# Altium PCB Main Board_V15.PcbDoc (part 3 of 5)
Units mm, origin at the board's own origin, x right, y up, seen from the top; angles counter-clockwise.
Board outline 180 x 140 mm, 2 copper layers (Top Layer, Bottom Layer); 280 components, 221 nets, 891 pads, 235 vias.
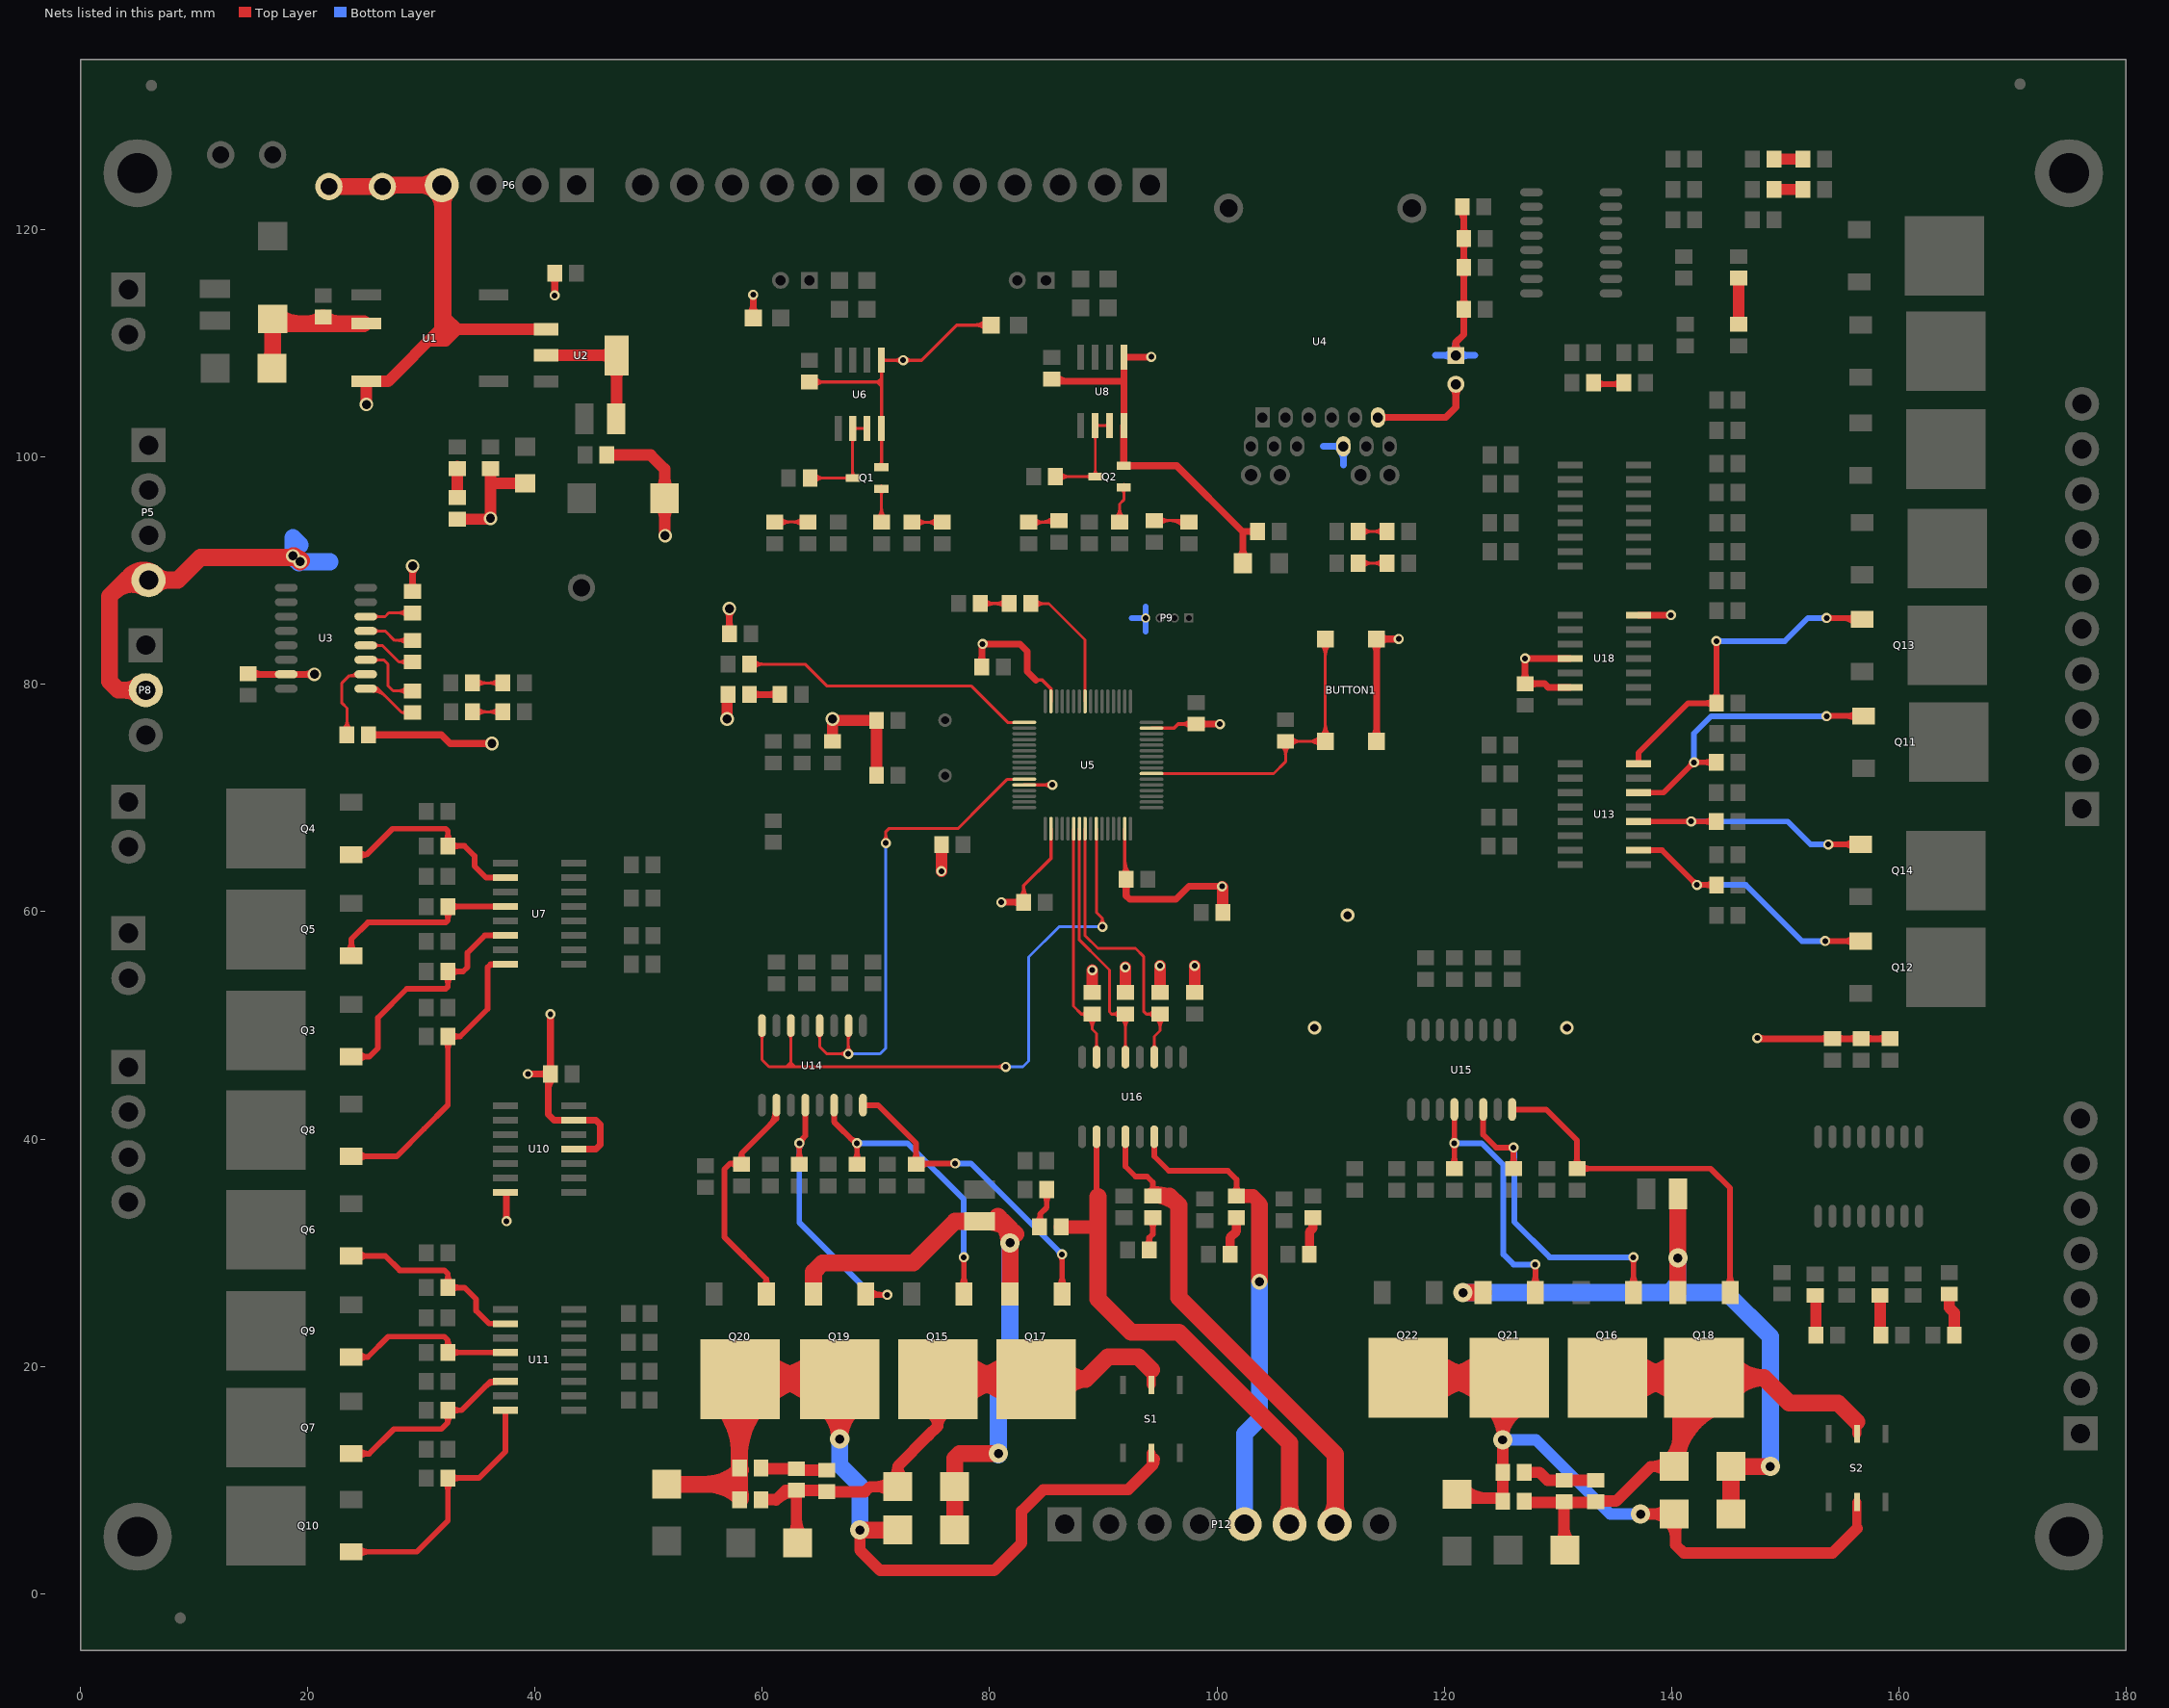
[diagram p3: the nets of this part, all layers, seen from the top]

## Via types
v1: diameter 0.889, hole 0.508, Top Layer to Bottom Layer, 97 vias
v2: diameter 1.7, hole 0.8, Top Layer to Bottom Layer, 84 vias
v3: diameter 1.2, hole 0.7, Top Layer to Bottom Layer, 34 vias
v4: diameter 1.2, hole 0.8, Top Layer to Bottom Layer, 11 vias
v5: diameter 1.4, hole 0.7, Top Layer to Bottom Layer, 5 vias
v6: diameter 1.4, hole 0.8, Top Layer to Bottom Layer, 2 vias
v7: diameter 3.4, hole 3.4, Top Layer to Bottom Layer, 2 vias

## Nets (pads, with @x,y where several pads share a name; then routed paths per layer and width w, separated by ;. In a path a pad name is that pad's centre, name@x,y a point inside that pad or via, vN(x,y) a via of type N, cw(c..) or ccw(c..) an arc to the next point about the centre after c; other vN are vias at no path point) (continued)
GND: BUTTON1.3 BUTTON1.4 C1.1 C4.2 C5.1 C6.2 C7.1 C8.1 C9.1 C10.1 C13.2 C14.1 C15.1 C16.1 C17.1 C18.1 C19.1 C20.1 C21.1 C22.1 C23.2 C28.2 C29.1 C30.1 CB1.1 LED1.2 LED5.2 P5.4 P6.4 P8.2 P9.4 PT3.1 PT4.1 Q1.2 Q2.2 R7.1 R8.1 R48.1 R49.1 R50.1 R51.1 R62.1 R65.1 R68.1 R71.1 R80.1 R131.1 R132.1 R134.1 R136.1 U1.4 U2.1 U3.15 U4.10 U5.12 U5.18 U5.31 U5.47 U5.63 U6.4 U6.5 U8.4 U8.5 U10.7 U10.11 U10.13 U18.7 U18.11 U18.13 | length 455.2
  Top Layer w0.3: C23.2@64.135,106.619 70.104,106.619 ; C23.2@64.589,106.265 cw(c65.442,105.412) 65.442,106.619 cw(c65.442,107.826) C23.2@64.589,106.973 ; Q1.2@70.324,99.262 ccw(c69.934,99.652) 70.485,99.652 ; U6.4@70.379,101.631 cw(c70.123,101.375) 70.485,101.375 cw(c70.847,101.375) U6.4@70.591,101.631 ; U6.4@70.379,103.443 ccw(c70.123,103.699) 70.485,103.699 ccw(c70.847,103.699) U6.4@70.591,103.443 ; U6.5@70.379,107.631 cw(c70.123,107.375) 70.485,107.375 cw(c70.847,107.375) U6.5@70.591,107.631 ; Q1.2@70.465,99.375 Q1.2@70.485,99.395 ; Q1.2@70.485,99.375 U6.4@70.485,102.489 ; 70.485,99.556 ccw(c70.9,99.556) Q1.2@70.606,99.262 ; U6.4@70.485,102.537 U6.5@70.485,108.537 73.993,108.537 77.089,111.633 R136.1@80.137,111.633 ; 70.485,106.172 70.485,106.238 70.104,106.619 ; 70.485,106.426 70.292,106.619 70.104,106.619 ; 70.485,106.934 70.17,106.619 70.104,106.619 ; U6.5@70.591,108.431 cw(c70.847,108.175) 70.847,108.537 cw(c70.847,108.899) U6.5@70.591,108.643 ; v1@72.182,108.329 ccw(c71.679,107.826) 71.679,108.537 ccw(c71.679,109.248) v1@72.182,108.745 ; v1@72.598,108.329 cw(c73.101,107.826) 73.101,108.537 cw(c73.101,109.248) v1@72.598,108.745 ; R136.1@79.701,111.209 ccw(c78.676,110.184) 78.676,111.633 ccw(c78.676,113.082) R136.1@79.701,112.057 ; C15.1@82.643,61.287 ccw(c81.79,62.14) 82.997,62.14 ccw(c84.204,62.14) C15.1@83.351,61.287 ; C15.1@82.997,60.833 82.997,62.296 85.396,64.695 U5.18@85.396,67.312 ; U5.12@83.046,71.162 v1(85.513,71.162) ; 84.074,80.391 84.624,80.391 85.396,79.619 U5.63@85.396,78.512 ; v1@85.305,70.954 ccw(c84.802,70.451) 84.802,71.162 ccw(c84.802,71.873) v1@85.305,71.37 ; 91.628,106.873 91.821,106.68 ; C17.1@91.66,63.319 ccw(c91.092,63.887) 91.896,63.887 ; U8.4@91.801,102.771 U8.4@91.821,102.791 ; C17.1@91.896,62.865 U5.31@91.896,67.312 ; 91.896,63.733 ccw(c92.782,63.733) C17.1@92.155,63.106 ; 91.896,64.457 ccw(c93.506,64.457) C17.1@92.368,63.319 ; U5.47@94.246,76.162 96.228,76.162 96.586,76.52 C19.1@98.171,76.52 ; C19.1@97.717,76.166 ccw(c96.864,75.313) 96.864,76.52 ccw(c96.864,77.727) C19.1@97.717,76.874 ; v1(100.264,76.52) v1@100.33,76.454
  Top Layer w0.6: C9.1@14.732,80.96 14.793,80.899 U3.15@18.09,80.899 v4@20.32,80.899 ; C9.1@15.079,80.713 cw(c15.53,80.262) 15.53,80.899 ; C9.1@15.079,81.207 ccw(c15.824,81.952) 15.824,80.899 ; v4@20.362,80.687 ccw(c19.85,80.175) 19.85,80.899 ccw(c19.85,81.623) v4@20.362,81.111 ; C8.1@25.334,75.565 31.75,75.565 32.512,74.803 v4(36.195,74.803) ; C8.1@25.581,75.318 cw(c26.179,74.72) 26.179,75.565 cw(c26.179,76.41) C8.1@25.581,75.812 ; C10.1@28.963,88.446 ccw(c28.365,89.044) 29.21,89.044 ccw(c30.055,89.044) C10.1@29.457,88.446 ; v4@28.998,90.212 cw(c28.486,89.7) 29.21,89.7 cw(c29.934,89.7) v4@29.422,90.212 ; C10.1@29.21,88.199 v4(29.21,90.424) ; v4@35.983,74.591 ccw(c35.471,74.079) 35.471,74.803 ccw(c35.471,75.527) v4@35.983,75.015 ; U10.7@37.386,35.306 37.465,35.227 v1(37.465,32.766) ; v1(39.37,45.72) C29.1@41.341,45.72 v1(41.341,50.993) ; C29.1@41.094,45.473 ccw(c40.496,44.875) 40.496,45.72 ccw(c40.496,46.565) C29.1@41.094,45.967 ; C29.1@41.094,46.067 ccw(c40.496,46.665) 41.341,46.665 ccw(c42.186,46.665) C29.1@41.588,46.067 ; 41.148,44.309 cw(c42.652,44.309) C29.1@41.588,45.373 ; C29.1@41.468,45.72 41.148,45.4 41.148,42.164 41.656,41.656 U10.13@43.386,41.656 45.339,41.656 45.72,41.275 45.72,39.497 45.339,39.116 U10.11@43.386,39.116 ; C1.1@41.475,115.858 cw(c40.877,115.26) 41.722,115.26 cw(c42.567,115.26) C1.1@41.969,115.858 ; v1(41.722,114.234) C1.1@41.722,116.205 ; R7.1@56.842,84.802 ccw(c56.244,85.4) 57.089,85.4 ccw(c57.934,85.4) R7.1@57.336,84.802 ; v4@56.877,86.468 cw(c56.365,85.956) 57.089,85.956 cw(c57.813,85.956) v4@57.301,86.468 ; R7.1@57.089,84.455 v4(57.089,86.68) ; R134.1@58.864,112.586 ccw(c58.096,113.354) 59.182,113.354 ccw(c60.268,113.354) R134.1@59.5,112.586 ; R134.1@59.182,112.268 v1(59.182,114.3) ; C20.1@79.067,81.881 ccw(c78.469,82.479) 79.314,82.479 ccw(c80.159,82.479) C20.1@79.561,81.881 ; C20.1@79.314,81.534 79.314,83.251 79.629,83.566 82.677,83.566 83.312,82.931 83.312,81.153 84.074,80.391 ; 79.314,83.07 cw(c79.871,83.07) v1@79.477,83.464 ; v1(81.026,60.833) C15.1@82.997,60.833 ; C15.1@82.75,60.586 ccw(c82.152,59.988) 82.152,60.833 ccw(c82.152,61.678) C15.1@82.75,61.08 ; C28.2@85.664,106.68 91.821,106.68 ; C28.2@85.818,107.12 ccw(c86.882,108.184) 86.882,106.68 ; C17.1@91.767,62.518 cw(c91.169,61.92) 92.014,61.92 cw(c92.859,61.92) C17.1@92.261,62.518 ; U8.4@91.801,102.771 Q2.2@91.801,99.248 96.459,99.248 102.286,93.421 C13.2@102.286,90.678 ; U8.4@91.821,102.791 U8.5@91.821,108.791 v1@94.282,108.791 ; C17.1@92.014,62.865 92.014,61.402 92.329,61.087 96.393,61.087 97.536,62.23 v1(100.457,62.23) ; 93.769,108.791 ccw(c93.769,109.304) v1@94.132,108.941 ; C19.1@98.171,76.52 v1(100.264,76.52) ; C19.1@98.518,76.273 cw(c99.116,75.675) 99.116,76.52 cw(c99.116,77.365) C19.1@98.518,76.767 ; C13.2@101.932,91.132 ccw(c101.079,91.985) 102.286,91.985 ccw(c103.493,91.985) C13.2@102.64,91.132 ; 102.286,93.472 C14.1@103.571,93.472 ; C14.1@103.324,93.225 ccw(c102.726,92.627) 102.726,93.472 ccw(c102.726,94.317) C14.1@103.324,93.719 ; BUTTON1.3@113.731,75.32 ccw(c112.963,76.088) 114.049,76.088 ccw(c115.135,76.088) BUTTON1.3@114.367,75.32 ; BUTTON1.4@113.731,83.684 cw(c112.963,82.916) 114.049,82.916 cw(c115.135,82.916) 114.367,83.684 cw(c115.135,82.916) 115.135,84.002 cw(c115.135,85.088) BUTTON1.4@114.367,84.32 ; BUTTON1.3@114.049,75.002 BUTTON1.4@114.049,84.002 v1(116.006,84.002) ; CB1.1@120.713,109.284 ccw(c119.945,110.052) 121.031,110.052 ccw(c122.117,110.052) CB1.1@121.349,109.284 ; CB1.1@121.031,108.966 121.031,110.109 121.732,110.81 R48.1@121.732,113.03 R49.1@121.732,116.713 R50.1@121.732,119.253 121.732,121.92 R51.1@121.605,122.047 ; R51.1@121.358,121.7 cw(c120.453,120.795) 121.732,120.795 ; R48.1@121.485,112.683 cw(c120.887,112.085) 121.732,112.085 cw(c122.577,112.085) R48.1@121.979,112.683 ; R48.1@121.485,113.377 ccw(c120.887,113.975) 121.732,113.975 ccw(c122.577,113.975) R48.1@121.979,113.377 ; R49.1@121.485,116.366 cw(c120.887,115.768) 121.732,115.768 cw(c122.577,115.768) R49.1@121.979,116.366 ; R49.1@121.485,117.06 ccw(c120.887,117.658) 121.732,117.658 ccw(c122.577,117.658) R49.1@121.979,117.06 ; R50.1@121.485,118.906 cw(c120.887,118.308) 121.732,118.308 cw(c122.577,118.308) R50.1@121.979,118.906 ; R50.1@121.485,119.6 ccw(c120.887,120.198) 121.732,120.198 ccw(c122.577,120.198) R50.1@121.979,119.6 ; C30.1@126.88,80.318 ccw(c126.282,80.916) 127.127,80.916 ccw(c127.972,80.916) C30.1@127.374,80.318 ; C30.1@127.474,79.824 cw(c128.072,79.226) 128.072,80.071 cw(c128.072,80.916) C30.1@127.474,80.318 ; U18.13@131.112,79.756 129.159,79.756 128.844,80.071 C30.1@127.127,80.071 v1(127.127,82.296) U18.11@131.112,82.296 ; U18.7@137.112,86.106 v1(139.954,86.106) ; v1(147.574,48.895) 147.64,48.829 R62.1@154.178,48.829 R132.1@159.258,48.829 ; v1@147.676,48.997 ccw(c148.082,49.403) 148.082,48.829 ; R62.1@153.831,48.582 ccw(c153.233,47.984) 153.233,48.829 ccw(c153.233,49.674) R62.1@153.831,49.076 ; R62.1@154.525,48.582 cw(c155.123,47.984) 155.123,48.829 cw(c155.123,49.674) R62.1@154.525,49.076 ; R131.1@156.371,48.582 ccw(c155.773,47.984) 155.773,48.829 ccw(c155.773,49.674) R131.1@156.371,49.076 ; R131.1@157.065,48.582 cw(c157.663,47.984) 157.663,48.829 cw(c157.663,49.674) R131.1@157.065,49.076 ; R132.1@158.911,48.582 ccw(c158.313,47.984) 158.313,48.829 ccw(c158.313,49.674) R132.1@158.911,49.076
  Top Layer w1: v4(25.146,104.648) 25.146,106.668 U1.4@25.134,106.68 27.051,106.68 31.637,111.266 32.117,111.266 33.147,111.266 ; 30.739,110.236 32.117,110.236 33.147,111.266 ; P6.4@31.779,123.952 P6.4@32.117,123.614 ; 32.117,112.522 32.117,112.296 33.147,111.266 ; LED1.2@33.147,94.554 36.007,94.554 v4(36.068,94.615) C5.1@36.068,98.999 ; 36.068,97.663 36.119,97.714 C4.2@39.116,97.714 ; U2.1@40.969,111.266 33.147,111.266 ; C7.1@46.289,100.203 50.165,100.203 51.402,98.966 C6.2@51.402,96.393 51.402,93.124 v4(51.435,93.091) ; C6.2@50.872,95.813 cw(c49.591,94.532) 51.402,94.532 cw(c53.213,94.532) C6.2@51.932,95.813 ; C6.2@50.872,96.973 ccw(c49.591,98.254) 51.402,98.254 ccw(c53.213,98.254) C6.2@51.932,96.973 ; v4(56.896,76.962) 56.896,79.055 LED5.2@56.962,79.121 ; C22.1@66.167,74.991 v4(66.167,76.962) 66.294,76.835 C18.1@70.043,76.835 C16.1@70.043,72.009 ; v1(75.758,63.566) C21.1@75.758,65.913 ; R68.1@89.027,52.893 v1(89.027,54.864) ; R71.1@91.948,52.893 v1(91.948,55.118) ; R80.1@94.996,52.893 v1(94.996,55.245) ; R65.1@98.044,52.893 v1(98.044,55.245) ; v1(100.457,62.23) 100.518,62.169 R8.1@100.518,59.944
  Top Layer w1.5: 2.965,88.182 cw(c4.51,86.637) P5.4@5.596,88.532 ; 3.913,89.13 cw(c5.859,87.184) P5.4@6.01,89.932 ; 4.351,89.568 cw(c5.52,88.4) P5.4@6.342,89.834 ; P8.2@5.185,78.972 ccw(c3.904,77.691) 3.904,79.502 ccw(c3.904,81.313) P8.2@5.185,80.032 ; P5.4@5.439,88.653 ccw(c4.158,87.372) 4.158,89.183 ccw(c4.158,90.994) P5.4@5.439,89.713 ; P8.2@5.715,79.502 3.302,79.502 2.54,80.264 2.54,87.757 3.966,89.183 P5.4@5.969,89.183 8.538,89.183 10.541,91.186 v4@18.669,91.186 ; P5.4@6.499,88.653 cw(c7.78,87.372) 7.78,89.183 cw(c7.78,90.994) P5.4@6.499,89.713 ; v4(18.669,91.313) 18.796,91.313 v4(19.304,90.805) ; v4@18.746,91.186 cw(c18.746,90.247) v4@19.41,90.911 ; PT3.1@21.844,123.825 PT4.1@26.543,123.825 ; PT4.1@26.543,123.952 P6.4@31.779,123.952 ; PT4.1@26.861,123.507 cw(c27.936,122.432) 27.936,123.952 ; P6.4@31.249,124.482 cw(c29.968,125.763) 29.968,123.952 cw(c29.968,122.141) 31.249,123.422 cw(c29.732,121.905) 31.877,121.905 ; 31.877,111.252 P6.4@31.877,123.6 ; 31.877,122.378 cw(c33.353,122.378) P6.4@32.309,123.422
  Bottom Layer w0.5: 92.507,85.852 P9.4@93.726,85.852 ; 93.726,84.671 P9.4@93.726,85.852 ; 93.726,86.85 P9.4@93.726,85.852
  Bottom Layer w0.6: 109.377,100.965 U4.10@111.125,100.965 111.125,99.32 ; U4.10@110.888,100.474 cw(c110.316,99.902) 111.125,99.902 cw(c111.934,99.902) U4.10@111.362,100.474 ; U4.10@110.888,100.728 ccw(c110.316,100.156) 110.316,100.965 ccw(c110.316,101.774) U4.10@110.888,101.202 ; 119.254,108.966 CB1.1@121.031,108.966 ; CB1.1@120.713,108.648 ccw(c119.945,107.88) 119.945,108.966 ccw(c119.945,110.052) CB1.1@120.713,109.284 ; CB1.1@120.727,109.297 ccw(c120.09,109.991) 121.031,109.991 ; CB1.1@121.335,109.297 cw(c121.972,109.991) 121.031,109.991 ; CB1.1@121.349,108.648 cw(c122.117,107.88) 122.117,108.966 cw(c122.117,110.052) CB1.1@121.349,109.284 ; 122.696,108.966 CB1.1@121.031,108.966 ; CB1.1@121.031,108.966 121.031,109.991
  Bottom Layer w1.5: v4@18.563,91.207 ccw(c19.533,92.177) v4@19.533,90.805 ; v4(18.669,91.313) 18.669,92.914 19.304,92.279 ; 18.669,91.976 ccw(c20.475,91.976) v4@19.198,90.699 ; v4(19.304,90.805) 21.945,90.805
  other v1: 79.375,83.566 72.39,108.537 94.234,108.839
  other v3: 108.585,49.784 130.81,49.784 111.506,59.69
  other v4: 20.574,80.899
LEFT-OPPOSITE: R80.2 U5.24 U16.11 | length 30.1
  Top Layer w0.254: U5.24@88.396,67.312 88.373,67.289 88.373,57.931 89.535,56.769 92.837,56.769 93.538,56.068 93.538,51.247 93.792,50.993 ; U16.11@94.33,48.01 ccw(c93.95,48.39) 94.488,48.39 ccw(c95.026,48.39) U16.11@94.646,48.01 ; U16.11@94.488,47.202 94.488,49.022 94.996,49.53 R80.2@94.996,50.993 93.792,50.993 ; R80.2@94.491,50.662 ccw(c93.792,50.089) 93.792,50.993 ; R80.2@94.491,51.324 cw(c93.792,51.897) 93.792,50.993 ; R80.2@94.626,50.623 cw(c93.733,49.73) 94.996,49.73 cw(c96.259,49.73) R80.2@95.366,50.623
LEFT-OPPOSITESENSOR: LED22.2 P12.5 U16.6 | length 43.7
  Top Layer w0.5: U16.6@94.488,40.202 94.488,38.481 95.758,37.211 100.965,37.211 101.727,36.449 LED22.2@101.727,34.986 ; LED22.2@101.444,35.269 ccw(c100.761,35.952) 101.727,35.952 ccw(c102.693,35.952) LED22.2@102.01,35.269
  Top Layer w1.2: LED22.2@101.727,34.986 103.19,34.986 103.759,34.417
  Top Layer w1.5: v6@103.759,27.559 103.759,34.163
  Bottom Layer w1.5: P12.5@102.437,5.969 102.437,14.045 103.759,15.367 v6(103.759,27.432)
LEFTGATE-A: U5.11 U14.2 U14.4 | length 49.1
  Top Layer w0.254: U14.4@64.88,49.174 cw(c64.5,48.794) 65.038,48.794 cw(c65.576,48.794) U14.4@65.196,49.174 ; U14.4@65.038,49.982 65.038,48.119 65.659,47.498 v1(67.564,47.498) 67.564,49.968 U14.2@67.578,49.982 ; v1@67.339,47.273 ccw(c66.797,46.731) 66.797,47.498 ccw(c66.797,48.265) 67.339,47.723 ccw(c66.797,48.265) 67.564,48.265 ccw(c68.331,48.265) v1@67.789,47.723 ; U14.2@67.42,49.174 cw(c67.073,48.827) 67.564,48.827 ; 67.564,48.76 cw(c68.15,48.76) U14.2@67.736,49.174 ; v1@70.641,66.265 ccw(c70.099,66.807) 70.866,66.807 ccw(c71.633,66.807) v1@71.091,66.265 ; v1(70.866,66.04) 70.866,67.056 71.12,67.31 77.209,67.31 79.61,69.711 79.61,69.718 81.554,71.662 U5.11@83.046,71.662
  Bottom Layer w0.254: v1(67.564,47.498) 70.358,47.498 70.866,48.006 v1(70.866,66.04)
LEFTGATE-B: U5.26 U14.6 U14.8 | length 61.6
  Top Layer w0.254: U14.8@59.8,49.174 cw(c59.42,48.794) 59.958,48.794 cw(c60.496,48.794) U14.8@60.116,49.174 ; U14.8@59.958,49.982 59.958,46.976 60.579,46.355 61.849,46.355 69.088,46.355 v1(81.407,46.355) ; 62.103,46.355 62.498,46.75 62.498,46.863 ; U14.6@62.34,49.174 cw(c61.96,48.794) 62.498,48.794 cw(c63.036,48.794) U14.6@62.656,49.174 ; 62.498,46.355 62.498,46.609 62.498,46.863 ; U14.6@62.498,49.982 62.498,46.863 ; 62.865,46.355 62.498,46.722 62.498,46.863 ; v1@81.182,46.13 ccw(c80.64,45.588) 80.64,46.355 ccw(c80.64,47.122) v1@81.182,46.58 ; U5.26@89.396,67.312 89.396,59.956 89.916,59.436 ; v1@89.692,58.899 ccw(c89.16,59.436) 89.916,59.436 ; v1(89.916,58.674) 89.916,59.436 ; v1@90.14,58.899 cw(c90.672,59.436) 89.916,59.436
  Bottom Layer w0.254: v1(81.407,46.355) 82.931,46.355 83.439,46.863 83.439,56.007 86.106,58.674 v1(89.916,58.674)
LEFTS-CLOSE: R71.2 U5.23 U16.13 | length 26.9
  Top Layer w0.254: U5.23@87.896,67.312 87.896,57.519 89.916,55.499 90.551,54.864 90.551,51.181 90.739,50.993 ; R71.2@91.444,50.66 ccw(c90.739,50.079) 90.739,50.993 ; R71.2@91.444,51.326 cw(c90.739,51.907) 90.739,50.993 ; R71.2@91.578,50.623 cw(c90.685,49.73) 91.948,49.73 cw(c93.211,49.73) R71.2@92.318,50.623 ; U16.13@91.79,48.01 ccw(c91.41,48.39) 91.948,48.39 ccw(c92.486,48.39) U16.13@92.106,48.01 ; U16.13@91.948,47.202 R71.2@91.948,50.993 90.739,50.993
LEFTS-OPEN: R68.2 U5.22 U16.15 | length 25.3
  Top Layer w0.254: U5.22@87.396,67.312 87.376,67.292 87.376,51.689 88.072,50.993 ; R68.2@88.461,50.755 ccw(c88.072,50.556) 88.072,50.993 ; R68.2@88.461,51.231 cw(c88.072,51.43) 88.072,50.993 ; R68.2@88.657,50.623 cw(c87.764,49.73) 89.027,49.73 cw(c90.29,49.73) R68.2@89.397,50.623 ; U16.15@89.25,48.01 ccw(c88.87,48.39) 89.408,48.39 ccw(c89.946,48.39) U16.15@89.566,48.01 ; U16.15@89.408,47.202 89.408,49.276 89.027,49.657 R68.2@89.027,50.993 88.072,50.993
LEFTSENSOR-CLOSE: LED9.2 P12.7 U16.4 | length 52.3
  Top Layer w0.5: U16.4@91.948,40.202 91.948,38.227 91.948,37.592 92.837,36.703 93.853,36.703 94.361,36.195 LED9.2@94.361,34.986 ; LED9.2@94.078,35.269 ccw(c93.395,35.952) 94.361,35.952 ccw(c95.327,35.952) LED9.2@94.644,35.269
  Top Layer w1.2: LED9.2@94.361,34.986 95.824,34.986 ; P12.7@110.357,6.096 P12.7@110.426,6.165
  Top Layer w1.5: LED9.2@94.455,35.086 cw(c94.609,32.408) 96.505,34.305 ; LED9.2@94.461,35.086 cw(c94.461,32.037) 96.617,34.193 ; 95.824,34.986 96.647,34.163 96.647,26.035 98.171,24.511 110.426,12.255 P12.7@110.426,6.165 ; P12.7@109.827,6.626 ccw(c108.379,8.074) 110.426,8.074 ; 110.426,7.739 ccw(c112,7.739) P12.7@110.887,6.626
LEFTSENSOR-OPEN: LED8.2 P12.6 U16.2 | length 49.6
  Top Layer w0.5: 89.408,34.925 U16.2@89.408,40.202
  Top Layer w1.2: LED8.2@86.233,32.258 89.408,32.258
  Top Layer w1.5: 89.535,34.925 89.535,32.512 89.535,25.908 92.456,22.987 96.647,22.987 106.397,13.237 P12.6@106.397,6.096 ; P12.6@105.867,6.626 ccw(c104.586,7.907) 106.397,7.907 ccw(c108.208,7.907) P12.6@106.927,6.626
NetBUTTON1_1: BUTTON1.1 BUTTON1.2 R12.2 U5.39 | length 41.8
  Top Layer w0.254: U5.39@94.246,72.162 105.003,72.162 106.045,73.204 R12.2@106.045,74.996 109.543,74.996 BUTTON1.1@109.549,75.002 BUTTON1.2@109.549,84.002 ; R12.2@105.675,74.626 cw(c104.782,73.733) 106.045,73.733 cw(c107.308,73.733) R12.2@106.415,74.626 ; R12.2@106.515,74.626 cw(c107.408,73.733) 107.408,74.996 cw(c107.408,76.259) R12.2@106.515,75.366 ; 108.03,74.996 ccw(c108.03,76.521) 109.108,75.443 ccw(c108.045,76.506) 109.549,76.506 ccw(c111.053,76.506) BUTTON1.1@109.99,75.443 ; 108.059,74.996 cw(c108.059,73.512) BUTTON1.1@109.108,74.561 ; 108.644,74.996 ccw(c108.644,75.907) 109.288,75.263 ccw(c108.658,75.893) 109.549,75.893 ccw(c110.44,75.893) BUTTON1.1@109.81,75.263 ; 108.673,74.996 cw(c108.673,74.126) BUTTON1.1@109.288,74.741 ; BUTTON1.2@109.108,83.561 cw(c108.045,82.498) 109.549,82.498 cw(c111.053,82.498) BUTTON1.2@109.99,83.561 ; BUTTON1.2@109.288,83.741 cw(c108.658,83.111) 109.549,83.111 cw(c110.44,83.111) BUTTON1.2@109.81,83.741
NetC2_1: C2.1 C3.1 D1.2 U1.2 | length 18
  Top Layer w1.5: D1.2@16.483,108.191 ccw(c15.499,109.175) 16.891,109.175 ; D1.2@16.851,108.077 16.891,108.117 C2.1@16.891,112.174 ; C2.1@16.891,111.76 U1.2@24.892,111.76 ; C2.1@17.295,112.528 ccw(c19.148,114.381) 19.148,111.76 ; 20.092,111.76 ccw(c20.092,113.478) C3.1@21.307,112.263 ; C3.1@21.365,112.263 ccw(c22.58,113.478) 22.58,111.76
NetC8_2: C8.2 U3.2 | length 9.8
  Top Layer w0.254: C8.2@23.064,76.035 ccw(c22.171,76.928) 23.434,76.928 ccw(c24.697,76.928) C8.2@23.804,76.035 ; C8.2@23.434,75.565 23.434,77.912 22.987,78.359 22.987,80.137 23.622,80.772 ; U3.2@24.279,81.053 cw(c23.622,81.68) 23.622,80.772 ; U3.2@25.09,80.772 23.622,80.772
NetC10_2: C10.2 U3.6 | length 7.1
  Top Layer w0.254: U3.6@25.09,85.979 26.797,85.979 27.117,86.299 C10.2@29.21,86.299 ; U3.6@25.898,85.821 cw(c26.278,85.441) 26.278,85.979 cw(c26.278,86.517) U3.6@25.898,86.137 ; C10.2@28.74,85.929 ccw(c27.847,85.036) 27.847,86.299 ccw(c27.847,87.562) C10.2@28.74,86.669
NetC11_1: C11.1 U3.1 | length 9.5
  Top Layer w0.254: U3.1@25.09,79.629 26.162,79.629 ; U3.1@25.721,79.654 cw(c25.927,79.383) 26.167,79.624 ; U3.1@25.74,79.406 cw(c25.74,77.849) 26.841,78.95 ; U3.1@25.74,79.66 cw(c25.74,78.716) 26.407,79.384 ; U3.1@25.875,79.452 cw(c26.105,79.15) 26.373,79.418 ; U3.1@25.924,79.503 cw(c26.162,79.341) 26.162,79.629 ; U3.1@25.924,79.755 ccw(c26.162,79.917) 26.162,79.629 ; C11.1@28.644,77.298 ccw(c28.255,77.099) 28.255,77.536 ; C11.1@28.644,77.774 cw(c28.255,77.973) 28.255,77.536 ; C11.1@29.21,77.536 28.255,77.536 ; 26.162,79.629 28.255,77.536
NetC11_2: C11.2 U3.3 | length 9.2
  Top Layer w0.254: U3.3@25.09,82.169 26.67,82.169 27.051,81.788 27.051,81.407 27.051,79.883 27.498,79.436 C11.2@29.21,79.436 ; U3.3@25.898,82.011 cw(c26.278,81.631) 26.278,82.169 cw(c26.278,82.707) U3.3@25.898,82.327 ; C11.2@28.74,79.066 ccw(c27.847,78.173) 27.847,79.436 ccw(c27.847,80.699) C11.2@28.74,79.806
NetC12_1: C12.1 U3.5 | length 7.3
  Top Layer w0.254: U3.5@25.09,84.709 26.797,84.709 27.625,83.881 C12.1@29.21,83.881 ; U3.5@25.898,84.551 cw(c26.278,84.171) 26.278,84.709 cw(c26.278,85.247) U3.5@25.898,84.867 ; C12.1@28.74,83.511 ccw(c27.847,82.618) 27.847,83.881 ccw(c27.847,85.144) C12.1@28.74,84.251
NetC12_2: C12.2 U3.4 | length 7.2
  Top Layer w0.254: U3.4@25.09,83.439 26.543,83.439 28.001,81.981 ; U3.4@25.898,83.281 cw(c26.278,82.901) 26.278,83.439 cw(c26.278,83.977) U3.4@25.898,83.597 ; C12.2@28.706,81.648 ccw(c28.001,81.067) 28.001,81.981 ; C12.2@28.706,82.314 cw(c28.001,82.895) 28.001,81.981 ; C12.2@29.21,81.981 28.001,81.981
NetC31_1: C31.1 D8.1 D9.2 Q19.2 Q20.2 R101.1 S1.5 | length 125.4
  Top Layer w0.8: 94.234,11.176 S1.5@94.234,12.367
  Top Layer w1: v2(68.58,5.588) 68.58,3.81 70.358,2.032 80.391,2.032 82.804,4.445 82.804,7.239 84.709,9.144 92.202,9.144 94.234,11.176 ; 94.208,11.15 ccw(c93.54,11.817) 94.484,11.817